# Altium PCB driver.PcbDoc (continued)
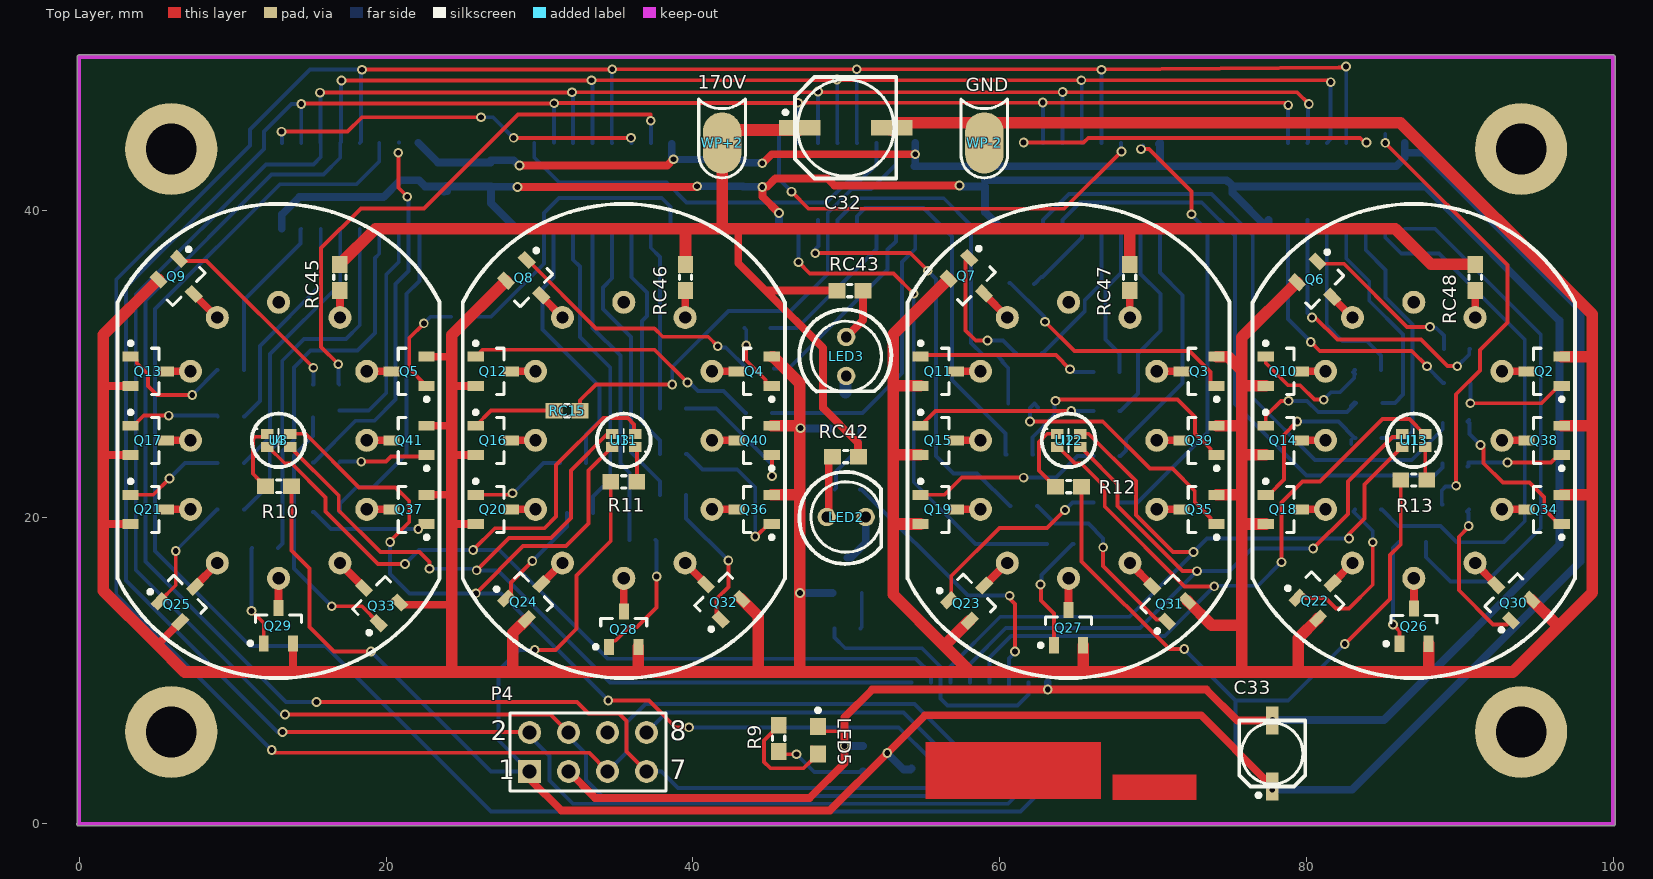
[diagram p0: Top Layer view]
## Nets (pads, with @x,y where several pads share a name; then routed paths per layer and width w, separated by ;. In a path a pad name is that pad's centre, name@x,y a point inside that pad or via, vN(x,y) a via of type N, cw(c..) or ccw(c..) an arc to the next point about the centre after c; other vN are vias at no path point) (continued)
_1_N3: RC13.1 U8.4 | length 13.9
  Bottom Layer w0.254: U8.4 82.601,36.855 84.099,35.357 84.099,34.112 86.309,31.902 86.309,27.996 85.771,27.457 RC13.1
_1_N4: RC17.1 U8.3 | length 16.7
  Bottom Layer w0.254: U8.3 83.871,37.414 85.166,36.119 85.166,34.315 86.919,32.563 86.919,25.574 86.516,25.171 RC17.1@84.899,25.171
_1_N5: RC21.1 U8.2 | length 35.1
  Bottom Layer w0.254: RC21.1 84.923,20.498 85.99,19.431 88.748,19.431 89.814,18.364 92.862,18.364 94.234,19.736 94.234,31.597 88.646,37.185 86.185,37.185 85.141,38.23 U8.2
_1_N6: RC25.1 U8.1 | length 34.9
  Bottom Layer w0.254: U8.1 88.373,38.805 95.275,31.902 95.275,19.304 91.77,15.799 89.383,15.799 87.794,17.387 RC25.1
_1_N7: RC29.1 U8.15 | length 29.7
  Top Layer w0.254: v1(85.141,44.405) 93.116,36.429 93.116,32.693 91.313,30.89 91.313,29.565 89.764,28.016 v1(89.764,22.047)
  Bottom Layer w0.254: v1(85.141,44.405) U8.15@85.141,44.98 ; RC29.1@88.876,20.828 RC29.1 88.826,21.744 89.078,21.996 89.713,21.996 v1(89.764,22.047)
_1_N8: RC33.1 U7.7 | length 42.2
  Bottom Layer w0.254: U7.7@62.997,38.964 U7.7 62.838,39.38 64.529,41.072 73.812,41.072 76.505,38.379 76.505,27.787 80.569,23.723 86.868,23.723 88.888,25.744 RC33.1
_1_N9: RC37.1 U7.6 | length 40.4
  Bottom Layer w0.254: U7.6@64.292,38.99 U7.6 64.108,39.38 65.24,40.513 73.177,40.513 75.336,38.354 75.336,27.381 80.01,22.707 88.341,22.707 88.863,23.229 RC37.1@88.863,23.52
_2_N0: RC2.1 U7.5 | length 5
  Bottom Layer w0.254: RC2.1@62.255,35.192 RC2.1 62.716,35.653 62.801,35.653 65.378,38.23 U7.5
_2_N1: RC6.1 U7.4 | length 10
  Bottom Layer w0.254: RC6.1 62.825,30.708 65.555,33.438 65.555,34.161 66.648,35.254 U7.4 U7.4@66.832,38.99
_2_N2: RC10.1 U7.3 | length 10.1
  Bottom Layer w0.254: RC10.1 67.83,30.671 66.904,31.597 66.904,34.899 67.918,35.913 U7.3
_2_N3: RC14.1 U7.2 | length 13.5
  Bottom Layer w0.254: RC14.1 67.88,26.924 69.012,28.056 69.012,30.683 70.485,32.156 70.485,34.569 69.188,35.867 U7.2
_2_N4: RC18.1 U7.1 | length 17.2
  Bottom Layer w0.254: RC18.1 67.88,23.977 68.253,24.35 68.253,25.073 71.933,28.753 71.933,34.468 70.458,35.943 U7.1
_2_N5: RC22.1 U7.15 | length 28.5
  Top Layer w0.254: v1(69.215,43.993) 69.748,43.993 72.517,41.224 v1(72.517,39.751) v1@72.517,39.7
  Bottom Layer w0.254: RC22.1 68.986,20.955 73.558,25.527 73.558,38.659 v1@72.517,39.7 ; v1(69.215,43.993) 69.215,44.063 69.19,44.088 U7.15@69.347,44.246
_2_N6: RC26.1 U6.7 | length 33.2
  Top Layer w0.254: v1(46.888,36.627) 47.625,35.89 53.086,35.89 v1(54.407,34.569)
  Bottom Layer w0.254: U6.7 46.886,38.803 46.886,36.629 v1(46.888,36.627) ; v1(54.407,34.569) 54.407,22.276 58.42,18.262 RC26.1
_2_N7: RC30.1 U6.6 | length 28.6
  Top Layer w0.254: v1(47.981,37.211) 54.178,37.211 v1(55.321,36.068)
  Bottom Layer w0.254: v1(47.981,37.211) 47.981,37.49 48.182,37.691 48.182,38.778 U6.6 U6.6@48.154,39.38 ; v1(55.321,36.068) 55.855,35.534 55.855,24.003 56.998,22.86 58.536,22.86 60.67,20.726 RC30.1
_2_N8: RC34.1 U6.5 | length 23.7
  Bottom Layer w0.254: U6.5 49.424,39.38 50.837,40.792 56.363,40.792 58.141,39.014 58.141,31.369 58.953,30.556 59.817,30.556 60.192,30.181 60.192,30.11 60.567,29.735 RC34.1
_2_N9: RC38.1 U6.4 | length 23.7
  Bottom Layer w0.254: U6.4 50.694,39.62 51.232,40.157 55.042,40.157 56.896,38.303 56.896,28.956 60.39,25.462 60.39,24.079 RC38.1
_3_N0: RC3.1 U6.3 | length 10.3
  Bottom Layer w0.254: RC3.1 46.812,32.334 51.964,37.486 U6.3
_3_N1: RC7.1 U6.2 | length 13
  Bottom Layer w0.254: RC7.1 46.253,29.692 52.705,36.144 52.705,37.439 53.234,37.969 U6.2
_3_N2: RC11.1 U6.1 | length 19.3
  Bottom Layer w0.254: RC11.1 51.054,26.797 53.645,29.388 53.645,36.627 54.504,37.486 U6.1
_3_N3: RC15.1 U6.15 | length 32
  Top Layer w0.254: RC15.1@32.639,26.937 RC15.1 32.651,27.621 33.68,28.651 v1(38.659,28.651)
  Bottom Layer w0.254: v1(38.659,28.651) 38.659,29.794 42.316,33.452 46.38,33.452 48.795,35.866 48.795,39.831 50.34,41.376 51.613,41.376 53.234,42.998 U6.15
_3_N4: RC19.1 U5.7 | length 17.5
  Bottom Layer w0.254: U5.7 30.931,35.63 30.201,34.899 30.201,32.232 33.909,28.524 33.909,26.263 33.032,25.386 RC19.1
_3_N5: RC23.1 U5.6 | length 20
  Bottom Layer w0.254: U5.6 32.201,36.785 32.639,36.347 32.639,31.75 34.62,29.769 34.62,22.479 33.501,21.359 RC23.1
_3_N6: RC27.1 U5.5 | length 21.3
  Bottom Layer w0.254: U5.5 33.471,32.34 35.281,30.531 35.281,23.495 35.878,22.897 RC27.1
_3_N7: RC31.1 U5.4 | length 19.2
  Bottom Layer w0.254: U5.4 34.741,35.579 34.138,34.976 34.138,33.579 35.966,31.75 35.966,24.234 37.86,22.341 RC31.1
_3_N8: RC35.1 U5.3 | length 15.7
  Bottom Layer w0.254: U5.3 36.011,35.642 37.008,34.645 37.008,33.121 36.678,32.791 36.678,26.187 37.86,25.005 RC35.1
_3_N9: RC39.1 U5.2 | length 12
  Bottom Layer w0.254: U5.2 37.262,38.786 37.262,37.566 37.86,36.969 RC39.1
_4_N0: RC4.1 U5.1 | length 19.4
  Bottom Layer w0.254: RC4.1 26.848,33.071 30.301,36.524 30.301,39.831 31.288,40.818 37.973,40.818 38.551,40.239 U5.1
_4_N1: RC8.1 U5.15 | length 36.3
  Top Layer w0.254: v1(16.891,29.972) 15.773,31.089 15.773,37.541 18.364,40.132 22.479,40.132 28.6,46.253 37.262,46.253 v1(37.262,45.847)
  Bottom Layer w0.254: v1(16.891,29.972) 16.891,28.714 RC8.1 ; v1(37.262,45.847) 37.272,45.837 37.272,44.415 U5.15
_4_N2: RC12.1 U4.7 | length 10.8
  Bottom Layer w0.254: RC12.1 10.731,34.149 14.427,37.846 14.427,38.754 U4.7
_4_N3: RC16.1 U4.6 | length 14.4
  Bottom Layer w0.254: RC16.1 10.781,26.56 11.786,27.565 11.786,31.166 15.748,35.128 U4.6
_4_N4: RC20.1 U4.5 | length 17.9
  Bottom Layer w0.254: RC20.1 12.446,25.244 12.446,30.632 17.018,35.204 U4.5
_4_N5: RC24.1 U4.4 | length 23.1
  Bottom Layer w0.254: RC24.1 10.781,20.498 12.421,22.138 12.421,24.308 13.233,25.12 13.233,30.2 14.656,31.623 17.399,31.623 18.288,32.512 U4.4
_4_N6: RC28.1 U4.3 | length 25.3
  Bottom Layer w0.254: RC28.1 13.259,18.276 13.259,24.308 13.995,25.044 13.995,29.769 15.088,30.861 18.136,30.861 19.279,32.004 19.279,36.895 19.558,37.175 U4.3
_4_N7: RC32.1 U4.2 | length 14.6
  Bottom Layer w0.254: RC32.1 18.872,26.949 20.015,28.092 20.015,35.814 20.828,36.627 U4.2
_4_N8: RC36.1 U4.1 | length 21.3
  Bottom Layer w0.254: RC36.1 17.004,20.345 17.004,20.879 18.096,21.971 19.177,21.971 21.336,24.13 21.336,34.569 22.174,35.407 22.174,38.729 U4.1
_4_N9: RC40.1 U4.15 | length 23.8
  Top Layer w0.254: v1(20.803,43.764) 20.803,41.478 v1(21.387,40.894)
  Bottom Layer w0.254: RC40.1 15.304,23.571 18.021,26.289 19.253,26.289 20.625,27.66 20.625,35.204 21.458,36.037 21.458,40.823 v1(21.387,40.894) ; U4.15@20.841,44.42 U4.15@20.842,44.419
CS: 
DISC: 
DOT1: RC41.1 U10.7 | length 17.4
  Bottom Layer w0.254: RC41.1 49.239,12.153 49.936,11.455 54.951,11.455 56.154,10.252 56.154,8.184 56.617,7.721 61.163,7.721 61.874,8.433 U10.7
DOT2: RC44.1 U10.6 | length 19.2
  Top Layer w0.254: v1(60.655,14.884) 60.655,14.706 61.011,14.351 v1(61.011,11.251)
  Bottom Layer w0.254: RC44.1@50.902,21.818 RC44.1 51.002,21.818 57.937,14.884 v1(60.655,14.884) ; U10.6@60.604,8.651 U10.6 60.604,10.793 61.011,11.2 v1(61.011,11.251)
DS3231_SCL: 
DS3231_SDA: 
EXT: 
FB: 
GND: C25.2 C26.2 C27.2 C28.2 C29.2 C32.2 C33.2 LED5.C P4.3 Q2.2 Q3.2 Q4.2 Q5.2 Q6.2 Q7.2 Q8.2 Q9.2 Q10.2 Q11.2 Q12.2 Q13.2 Q14.2 Q15.2 Q16.2 Q17.2 Q18.2 Q19.2 Q20.2 Q21.2 Q22.2 Q23.2 Q24.2 Q25.2 Q26.2 Q27.2 Q28.2 Q29.2 Q30.2 Q31.2 Q32.2 Q33.2 Q34.2 Q35.2 Q36.2 Q37.2 Q38.2 Q39.2 Q40.2 Q41.2 Q42.2 Q43.2 tc.2 U4.8 U5.8 U6.8 U7.8 U8.8 U10.8 WP-2.1 | length 577
  Top Layer w0.254: LED5.C 48.474,6.045 49.886,6.045
  Top Layer w0.508: 1.575,19.507 1.63,19.563 Q21.2 ; 1.575,24.054 1.584,24.063 Q17.2 ; 1.575,28.575 1.587,28.563 Q13.2 ; 5.004,11.785 5.204,11.785 Q25.2 ; Q29.2 13.929,9.921 13.945,9.906 ; Q33.2 21.007,14.297 24.177,14.297 24.282,14.402 ; Q37.2 24.257,21.463 24.282,21.437 ; Q41.2 24.236,25.963 24.282,26.009 ; Q5.2 24.214,30.463 24.282,30.531 ; 24.282,19.634 24.354,19.563 Q20.2 ; 24.282,24.206 24.426,24.063 Q16.2 ; 24.282,28.549 24.296,28.563 Q12.2 ; v1(28.575,41.529) 40.234,41.529 v1(40.284,41.58) ; P4.3 33.63,1.702 47.625,1.702 49.886,3.962 v1(49.886,5.08) 49.886,6.045 49.886,6.959 51.689,8.763 v1(63.144,8.763) 73.482,8.763 75.498,6.747 C33.2 ; v1(45.618,39.827) 44.55,40.895 44.55,41.553 44.855,41.553 45.39,42.088 48.768,42.088 49.225,41.63 v1(57.379,41.63)
  Top Layer w0.762: Q9.2 1.575,31.903 1.575,28.575 1.575,24.054 1.575,19.507 1.575,15.214 5.004,11.785 6.883,9.906 13.945,9.906 24.282,9.906 ; Q8.2 24.282,31.878 24.282,30.531 24.282,28.549 24.282,26.009 24.282,24.206 24.282,21.437 24.282,19.634 24.282,14.402 24.282,9.906 ; Q24.2 28.27,12.448 28.27,9.982 28.194,9.906 ; Q28.2 36.45,9.981 36.525,9.906 ; Q32.2 44.272,13.561 44.272,10.058 ; Q36.2 46.863,21.463 46.965,21.361 ; Q40.2 45.154,25.959 46.965,25.959 46.965,28.736 45.238,30.463 Q4.2 ; v1@46.965,25.806 46.965,21.361 ; C32.2@52.948,45.237 53.431,45.72 59.055,45.72 86.131,45.72 98.628,33.223 98.628,30.429 ; Q19.2 53.192,19.563 53.061,19.431 ; Q15.2 53.153,24.063 53.061,24.155 ; Q11.2 53.073,28.563 53.061,28.575 ; Q7.2 53.061,31.928 53.061,28.575 ; Q23.2 58.027,13.247 56.401,11.62 ; Q27.2 65.45,9.925 65.43,9.906 ; Q31.2 73.835,12.954 75.743,12.954 ; Q35.2 75.667,21.463 75.794,21.336 ; Q39.2 75.772,25.963 75.794,25.984 ; Q3.2 74.896,30.463 75.794,29.565 ; 75.794,10.109 75.794,19.507 ; Q18.2 75.849,19.563 75.794,19.507 ; Q14.2 75.861,24.063 75.794,24.13 ; Q10.2 75.831,28.563 75.794,28.6 ; Q6.2 75.794,31.725 75.794,29.565 ; 79.477,9.982 79.477,12.118 Q22.2 ; Q26.2 87.97,9.946 88.011,9.906 ; Q30.2 96.342,12.951 96.342,12.801 ; Q34.2 98.578,21.463 98.628,21.412 ; Q38.2 98.599,25.963 98.628,25.933 ; Q2.2 98.595,30.463 98.628,30.429 ; 24.282,9.906 28.194,9.906 ; 28.194,9.906 36.525,9.906 ; 36.525,9.906 46.965,9.906 ; 46.965,9.906 46.965,21.361 ; 46.965,9.906 58.115,9.906 ; 53.061,19.431 53.061,14.96 56.401,11.62 ; 53.061,19.431 53.061,24.155 ; 53.061,24.155 53.061,28.575 ; 56.401,11.62 58.115,9.906 ; 58.115,9.906 65.43,9.906 ; 65.43,9.906 79.477,9.906 88.011,9.906 ; 75.794,19.507 75.794,21.336 ; 75.794,21.336 75.794,24.13 ; 75.794,24.13 75.794,25.984 ; 75.794,25.984 75.794,28.6 ; 75.794,28.6 75.794,29.565 ; 88.011,9.906 93.447,9.906 96.342,12.801 ; 96.342,12.801 98.628,15.087 98.628,21.412 ; 98.628,21.412 98.628,25.933 ; 98.628,25.933 98.628,30.429
  Bottom Layer w0.508: U4.8 13.208,39.725 14.351,40.868 19.837,40.868 20.93,41.961 22.149,41.961 22.542,41.568 C25.2@23.877,41.568 ; C25.2@23.774,41.212 23.673,41.314 23.673,41.364 C25.2@23.877,41.568 ; C25.2@23.825,41.441 C25.2@23.991,41.275 ; C25.2@23.919,41.61 C25.2@23.877,41.568 ; v1(28.575,41.529) 28.556,41.548 26.867,41.548 C27.2 ; U5.8 28.505,38.805 26.848,40.462 C27.2 ; v1(40.284,41.58) 40.29,41.574 43.276,41.574 C28.2 43.301,41.548 44.507,41.548 v1(44.526,41.529) ; U6.8@45.614,39.38 U6.8 45.616,38.807 45.616,39.825 v1(45.618,39.827) ; v1(46.99,15.062) 46.994,15.058 49.11,15.058 Q42.2 ; v1(47.015,25.806) 47.032,25.79 48.945,25.79 Q43.2 ; v1(49.886,5.08) 49.891,5.086 51.099,5.086 C26.2 ; v1(57.379,41.63) 57.413,41.63 57.476,41.568 C29.2 59.055,39.878 60.128,38.805 U7.8 ; C29.2@59.055,41.961 74.791,41.961 74.888,41.864 74.938,41.864 75.184,41.618 tc.2 ; v1(63.144,8.763) U10.8 ; U8.8@77.521,39.38 U8.8 75.184,41.142 tc.2 ; v1(77.8,6.782) 85.065,6.782 96.495,18.212 96.495,32.817 87.743,41.568 tc.2 ; C25.2@23.877,41.568 C27.2
I\N\T\: 
NetC13_1: 
NetD1_K: 
NetD2_A: 
NetI1_1: I1.1 RC48.2 | length 1.8
  Top Layer w0.508: I1.1 91.004,33.017 91.004,34.782 RC48.2
NetI2_1: I2.1 RC47.1 | length 1.8
  Top Layer w0.508: RC47.1 68.489,34.775 68.489,33.023 I2.1
NetI3_1: I3.1 RC46.1 | length 1.8
  Top Layer w0.508: I3.1 39.511,33.024 39.511,34.775 RC46.1
NetI4_1: I4.1 RC45.1 | length 1.8
  Top Layer w0.508: RC45.1 16.996,34.782 16.996,33.016 I4.1
NetLED1_A: 
NetLED2_1: LED2.1 RC42.1 | length 4.1
  Top Layer w0.508: LED2.1 48.862,20.145 48.862,23.706 49.108,23.952 RC42.1
NetLED2_2: LED2.2 Q42.3 | length 3.3
  Bottom Layer w0.508: Q42.3 50.299,17.355 51.27,18.326 LED2.2
NetLED3_1: LED3.1 RC43.1 | length 3.5
  Top Layer w0.508: LED3.1 51.091,32.841 RC43.1
NetLED3_2: LED3.2 Q43.3 | length 1.7
  Bottom Layer w0.254: LED3.2@49.73,29.492 LED3.2@49.911,29.311 ; Q43.3@49.911,28.274 Q43.3 Q43.3@49.956,28.118 ; LED3.2@49.956,29.165 LED3.2
  Bottom Layer w0.508: LED3.2@49.829,29.23 LED3.2@49.911,29.311
  Bottom Layer w0.762: Q43.3@49.956,28.118 LED3.2@49.956,29.165
NetLED4_C: 
NetLED5_A: LED5.A R9.1 | length 7.4
  Top Layer w0.254: R9.1 45.593,6.388 44.653,5.448 44.653,4.038 45.06,3.632 47.23,3.632 47.735,4.138 47.76,4.138 48.158,4.536 LED5.A 48.158,4.586 LED5.A@47.76,4.984
NetQ2_1: Q2.1 RC1.2 | length 7.8
  Top Layer w0.254: v1@90.653,27.432 95.319,27.432 96.45,28.563 Q2.1
  Bottom Layer w0.254: RC1.2 90.69,28.727 v1(90.69,27.432)
NetQ3_1: Q3.1 RC2.2 | length 16.9
  Top Layer w0.254: v1(62.967,32.74) 64.872,30.835 72.39,30.835 73.752,29.473 73.752,28.761 73.95,28.563 Q3.1
  Bottom Layer w0.254: RC2.2 60.693,35.28 62.894,33.08 62.894,32.813 v1(62.967,32.74)
NetQ4_1: Q4.1 RC3.2 | length 4.6
  Top Layer w0.254: v1(43.485,31.191) 43.485,30.228 44.752,28.961 44.752,28.761 44.95,28.563 Q4.1
  Bottom Layer w0.254: RC3.2 43.485,32.221 v1(43.485,31.191)
NetQ5_1: Q5.1 RC4.2 | length 6.9
  Top Layer w0.254: v1(22.468,32.639) 21.514,31.685 21.514,29.699 Q5.1
  Bottom Layer w0.254: v1(22.468,32.639) 22.9,33.071 RC4.2
NetQ6_1: Q6.1 RC5.2 | length 11.1
  Top Layer w0.254: Q6.1 80.874,36.522 82.451,36.522 86.563,32.41 v1(88.062,32.41)
  Bottom Layer w0.254: v1(88.062,32.41) 88.135,32.337 88.465,32.337 88.964,31.838 RC5.2
NetQ7_1: Q7.1 RC6.2 | length 9.1
  Top Layer w0.254: Q7.1 58.166,36.751 57.785,36.751 57.785,32.182 58.445,31.521 v1(59.207,31.521)
  Bottom Layer w0.254: v1(59.207,31.521) 60.212,31.521 61.025,30.708 RC6.2
NetQ8_1: Q8.1 RC7.2 | length 17.3
  Top Layer w0.254: Q8.1 29.239,36.765 33.696,32.309 37.49,32.309 38.038,31.761 41.01,31.761 v1(41.631,31.14)
  Bottom Layer w0.254: v1(41.631,31.14) 41.703,31.067 42.15,31.067 43.525,29.692 RC7.2
NetQ9_1: Q9.1 RC8.2 | length 13
  Top Layer w0.254: Q9.1@6.718,36.842 Q9.1 6.655,36.7 8.308,36.7 v1(15.265,29.743)
  Bottom Layer w0.254: RC8.2 15.265,28.663 v1(15.265,29.743)
NetQ10_1: Q10.1 RC9.2 | length 9
  Top Layer w0.254: Q10.1 77.55,30.463 77.35,30.263 77.35,30.041 78.791,28.6 79.578,28.6 80.518,27.66 v1(81.128,27.66)
  Bottom Layer w0.254: v1(81.128,27.66) 81.61,28.143 82.194,28.143 83.123,29.072 RC9.2@83.123,29.36 ; RC9.2@83.16,29.323 RC9.2@83.123,29.36 ; RC9.2@83.123,29.36 RC9.2@83.123,29.541 ; RC9.2@83.123,29.36 83.033,29.45 RC9.2@83.123,29.541 ; RC9.2@83.123,29.541 RC9.2 83.123,29.591 RC9.2@83.123,29.541
NetQ11_1: Q11.1 RC10.2 | length 11.8
  Top Layer w0.254: Q11.1 54.955,30.567 63.666,30.567 v1(64.592,29.642)
  Bottom Layer w0.254: v1(64.592,29.642) 64.695,29.642 64.873,29.464 RC10.2
NetQ12_1: Q12.1 RC11.2 | length 19.5
  Top Layer w0.254: Q12.1 26.302,30.915 37.513,30.915 v1(39.649,28.778)
  Bottom Layer w0.254: v1(39.649,28.778) 39.776,28.778 40.335,28.219 42.001,28.219 43.423,26.797 RC11.2
NetQ13_1: Q13.1 RC12.2 | length 8
  Top Layer w0.254: Q13.1 3.55,30.463 3.748,30.265 3.748,30.065 4.496,29.317 4.496,28.549 5.08,27.965 v1(7.366,27.965)
  Bottom Layer w0.254: v1(7.366,27.965) 7.366,27.976 8.981,29.591 RC12.2
NetQ14_1: Q14.1 RC13.2 | length 7.8
  Top Layer w0.254: Q14.1 77.35,26.601 78.334,27.584 v1(78.842,27.584)
  Bottom Layer w0.254: v1(78.842,27.584) 80.035,27.584 80.772,26.848 82.64,26.848 RC13.2 ; RC13.2@82.896,27.254 RC13.2@83.124,27.483
NetQ15_1: Q15.1 RC14.2 | length 11.7
  Top Layer w0.254: Q15.1 55.811,26.924 v1(64.67,26.924)
  Bottom Layer w0.254: v1(64.67,26.924) RC14.2
NetQ16_1: Q16.1 RC15.2 | length 5.5
  Top Layer w0.254: Q16.1 26.837,26.949 RC15.2
NetQ17_1: Q17.1 RC16.2 | length 6
  Top Layer w0.254: Q17.1 3.55,25.963 4.206,26.619 v1(5.842,26.619)
  Bottom Layer w0.254: v1(5.842,26.619) 8.971,26.619 RC16.2
NetQ18_1: Q18.1 RC17.2 | length 10.3
  Top Layer w0.254: Q18.1 77.55,21.463 78.537,22.449 78.537,25.374 v1(79.4,26.238)
  Bottom Layer w0.254: v1(79.4,26.238) 82.082,26.238 83.149,25.171 RC17.2@83.199,25.171 ; RC17.2@82.923,24.769 RC17.2@82.923,25.044
NetQ19_1: Q19.1 RC18.2 | length 12.3
  Top Layer w0.254: Q19.1 56.413,21.463 57.531,22.58 v1(61.57,22.58)
  Bottom Layer w0.254: v1(61.57,22.58) 63.678,22.58 65.075,23.977 RC18.2
NetQ20_1: Q20.1 RC19.2 | length 6.3
  Top Layer w0.254: Q20.1 28.146,21.463 v1(28.248,21.564)
  Bottom Layer w0.254: v1(28.248,21.564) 28.296,21.564 30.277,23.546 RC19.2
NetQ21_1: Q21.1 RC20.2 | length 6.5
  Top Layer w0.254: Q21.1 4.826,21.463 v1(5.893,22.53)
  Bottom Layer w0.254: v1(5.893,22.53) 6.892,23.529 RC20.2
NetQ22_1: Q22.1 RC21.2 | length 11.4
  Top Layer w0.254: Q22.1 79.555,14.884 79.836,14.884 79.977,14.743 81.244,14.743 81.94,14.046 82.779,14.046 84.328,15.595 v1(84.328,18.364)
  Bottom Layer w0.254: RC21.2 83.058,20.382 84.328,19.112 v1(84.328,18.364)
NetQ23_1: Q23.1 RC22.2 | length 12.9
  Top Layer w0.254: Q23.1 56.848,14.732 56.848,16.157 59.995,19.304 63.094,19.304 v1(64.262,20.472)
  Bottom Layer w0.254: v1(64.262,20.472) 64.745,20.955 RC22.2
NetQ24_1: Q24.1 RC23.2 | length 7.2
  Top Layer w0.254: Q24.1 28.143,15.009 28.143,15.748 v1(29.54,17.145)
  Bottom Layer w0.254: v1(29.54,17.145) 31.801,19.405 RC23.2
NetQ25_1: Q25.1 RC24.2 | length 7.6
  Top Layer w0.254: Q25.1 6.296,15.564 v1(6.296,17.804)
  Bottom Layer w0.254: v1(6.296,17.804) 6.296,17.813 8.981,20.498 RC24.2
NetQ26_1: Q26.1 RC25.2 | length 7
  Top Layer w0.254: v1(85.649,13.005) 86.07,12.583 Q26.1
  Bottom Layer w0.254: v1(85.649,13.005) 85.649,17.994 86.044,18.389 RC25.2
NetQ27_1: Q27.1 RC26.2 | length 7.9
  Top Layer w0.254: v1(62.662,15.621) 62.687,15.595 62.687,14.579 63.55,13.717 Q27.1
  Bottom Layer w0.254: v1(62.662,15.621) 62.735,15.694 62.735,16.24 64.757,18.262 RC26.2
NetQ28_1: Q28.1 RC27.2 | length 8.7
  Top Layer w0.254: Q28.1 34.55,11.75 34.748,11.948 34.948,11.948 35.852,12.852 36.373,12.852 37.643,14.122 v1(37.643,16.129)
  Bottom Layer w0.254: RC27.2 37.643,18.452 v1(37.643,16.129)
NetQ29_1: Q29.1 RC28.2 | length 6.6
  Top Layer w0.254: v1(11.227,13.894) 12.029,13.091 Q29.1
  Bottom Layer w0.254: v1(11.227,13.894) 11.227,17.944 RC28.2
NetQ30_1: Q30.1 RC29.2 | length 10
  Top Layer w0.254: v1(90.576,19.431) 90.576,19.355 89.945,18.723 89.945,15.236 92.177,13.005 93.066,13.005 Q30.1
  Bottom Layer w0.254: v1(90.576,19.431) 90.576,20.269 90.475,20.371 RC29.2@90.602,20.498
NetQ31_1: Q31.1 RC30.2 | length 12.7
  Top Layer w0.254: v1(66.751,18.034) 66.751,16.815 70.228,13.337 70.764,13.337 Q31.1
  Bottom Layer w0.254: RC30.2 62.47,20.726 63.613,19.583 65.786,19.583 66.751,18.618 v1(66.751,18.034)
NetQ32_1: Q32.1 RC31.2 | length 9.7
  Top Layer w0.254: Q32.1 41.554,13.591 41.554,14.681 42.316,15.443 v1(42.316,17.17)
  Bottom Layer w0.254: RC31.2 39.56,19.927 v1(42.316,17.17)
NetQ33_1: Q33.1 RC32.2 | length 17.4
  Top Layer w0.254: v1(16.459,14.198) 18.418,14.198 Q33.1
  Bottom Layer w0.254: RC32.2@15.254,26.517 15.254,25.286 13.995,24.028 13.995,16.662 v1(16.459,14.198)
NetQ34_1: Q34.1 RC33.2 | length 10.4
  Top Layer w0.254: v1(91.351,24.701) 91.542,24.511 91.542,23.52 92.812,22.25 94.539,22.25 95.51,21.279 95.51,20.503 96.45,19.563 Q34.1
  Bottom Layer w0.254: RC33.2@90.487,26.238 RC33.2@90.588,26.34 ; RC33.2 90.638,26.136 90.638,25.414 v1(91.351,24.701)
NetQ35_1: Q35.1 RC34.2 | length 17.1
  Top Layer w0.254: v1(61.976,26.238) 66.726,26.238 69.799,23.165 71.272,23.165 72.72,21.717 72.72,20.992 73.752,19.961 73.752,19.761 73.95,19.563 Q35.1
  Bottom Layer w0.254: v1(61.976,26.238) 61.976,27.115 RC34.2 RC34.2@62.509,27.164
NetQ36_1: Q36.1 RC35.2 | length 10
  Top Layer w0.254: v1(44.069,18.745) 44.132,18.745 44.95,19.563 Q36.1
  Bottom Layer w0.254: RC35.2 39.61,24.13 40.626,23.114 42.901,23.114 44.069,21.945 v1(44.069,18.745)
NetQ37_1: Q37.1 RC36.2 | length 8
  Top Layer w0.254: v1(22.098,19.228) 22.098,19.211 22.45,19.563 Q37.1
  Bottom Layer w0.254: RC36.2 15.304,20.345 16.421,19.228 v1(22.098,19.228)
NetQ38_1: Q38.1 RC37.2 | length 6.6
  Top Layer w0.254: v1(93.116,23.571) 95.958,23.571 96.45,24.063 Q38.1
  Bottom Layer w0.254: RC37.2@90.512,23.3 90.563,23.351 RC37.2@90.563,23.52 ; RC37.2 90.588,23.546 90.614,23.571 v1(93.116,23.571)
NetQ39_1: Q39.1 RC38.2 | length 17
  Top Layer w0.254: v1(63.652,27.584) 63.754,27.686 71.603,27.686 72.746,26.543 72.746,25.467 73.752,24.461 73.752,24.261 73.95,24.063 Q39.1
  Bottom Layer w0.254: RC38.2@62.19,24.079 RC38.2 62.14,25.21 63.589,26.659 63.589,27.521 v1(63.652,27.584)
NetQ40_1: Q40.1 RC39.2 | length 9.3
  Top Layer w0.254: Q40.1 45.161,24.051 v1(45.161,22.682)
  Bottom Layer w0.254: RC39.2 41.529,27.076 45.161,23.444 v1(45.161,22.682)
NetQ41_1: Q41.1 RC40.2 | length 5.9
  Top Layer w0.254: v1(18.39,23.622) 19.99,23.622 20.326,23.958 22.545,23.958 Q41.1
  Bottom Layer w0.254: RC40.2 17.004,23.622 v1(18.39,23.622)
NetQ42_1: Q42.1 RC41.2 | length 2.3
  Bottom Layer w0.254: RC41.2 51.013,12.825 Q42.1
NetQ43_1: Q43.1 RC44.2 | length 4.6
  Bottom Layer w0.254: RC44.2 49.327,21.893 49.327,22.987 50.861,24.521 Q43.1
NetR4_2: 
NetR10_1: R10.1 U3.1 | length 4.7
  Top Layer w0.254: R10.1 12.1,22.013 11.727,22.386 11.727,22.436 11.328,22.834 11.328,25.099 11.477,25.247 12.06,25.247 U3.1 U3.1@12.15,25.538
NetR11_1: R11.1 U11.1 | length 3.2
  Top Layer w0.254: U11.1@36.448,24.786 U11.1 36.35,24.488 R11.1 36.4,22.301 R11.1@36.773,21.928
NetR12_1: R12.1 U12.1 | length 4.9
  Top Layer w0.254: R12.1@63.75,21.896 R12.1 63.6,21.996 62.56,23.036 62.56,24.892 63.106,25.438 U12.1
NetR13_1: R13.1 U13.1 | length 2.2
  Top Layer w0.254: U13.1 87.75,22.528 R13.1
NRST: 
O\E\: P4.5 U4.13 U5.13 U6.13 U7.13 U8.13 U10.13 | length 197.3
  Top Layer w0.254: v1(12.548,4.826) 12.725,4.648 33.223,4.648 P4.5 ; v1(18.44,49.174) 18.453,49.187 34.734,49.187 v1(34.747,49.2) v1(50.685,49.2) 66.622,49.2 v1(66.648,49.174) 82.118,49.327 82.525,49.327 v1(82.575,49.377)
  Bottom Layer w0.254: v1(12.548,4.826) 2.413,14.96 2.413,35.509 11.125,44.221 11.125,45.263 15.037,49.174 v1(18.44,49.174) 18.368,49.101 18.368,44.485 U4.13 ; P4.5 35.687,4.673 35.687,6.604 36.906,7.823 54.442,7.823 58.064,4.201 U10.13 U10.13@58.064,3.051 ; U5.13 34.719,44.427 34.719,49.171 v1(34.747,49.2) ; v1(50.685,49.2) 50.69,49.195 50.69,44.41 U6.13 ; U7.13 v1(66.648,49.174) ; v1(82.575,49.377) 82.601,49.352 U8.13
OSC32_IN: 
OSC32_OUT: 
OSC_IN: 
OSC_OUT: 
PWRC: 
R\S\T\: 
RCLK: P4.7 U4.12 U5.12 U6.12 U7.12 U8.12 U10.12 | length 183
  Top Layer w0.254: v1(15.469,7.95) 32.461,7.95 33.198,7.213 35.179,7.213 35.687,6.705 35.687,4.724 P4.7 ; v1(17.094,48.463) 17.107,48.476 33.388,48.476 v1(33.401,48.488) v1(65.329,48.488) 81.458,48.488 v1(81.585,48.361)
  Bottom Layer w0.254: v1(15.469,7.95) 13.487,7.95 4.318,17.119 4.318,34.112 12.548,42.342 15.926,42.342 17.018,43.434 U4.12 17.056,44.443 17.056,48.425 v1(17.094,48.463) ; v1(33.401,48.488) 33.474,48.415 33.474,44.408 U5.12 ; P4.7 37.948,3.429 39.04,2.337 58.953,2.337 59.334,2.718 U10.12 ; v1(49.403,48.539) 49.414,48.529 49.414,44.416 U6.12 ; v1(65.329,48.488) 65.353,48.464 65.353,44.429 U7.12 ; U8.12 81.585,44.659 v1(81.585,48.361)
REF: 
RGB1_B: U3.3 U10.2 U11.3 | length 68.7
  Top Layer w0.254: U3.3@12.052,24.786 U3.3 12.325,24.588 13.398,23.514 13.829,23.514 16.053,21.291 16.053,20.371 19.482,16.942 v1(21.234,16.942) ; v1(25.679,17.856) 27.102,19.278 30.328,19.278 31.09,20.04 31.09,23.393 34.163,26.467 35.763,26.467 36.175,26.055 36.175,25.438 U11.3 U11.3@36.448,25.24
  Bottom Layer w0.254: v1(21.234,16.942) 22.149,17.856 v1(25.679,17.856) 27.381,17.856 34.468,10.769 54.556,10.769 55.524,9.801 U10.2
RGB1_G: U3.4 U10.1 U11.4 | length 62.1
  Top Layer w0.254: U3.4@13.675,24.588 U3.4 16.916,21.421 16.916,20.447 19.634,17.729 22.174,17.729 22.835,17.069 v1(22.835,16.637) ; v1(25.908,16.535) 28.016,18.643 30.759,18.643 32.055,19.939 32.055,23.048 34.444,25.438 U11.4
  Bottom Layer w0.254: v1(22.835,16.637) 25.806,16.637 v1(25.908,16.535) 27.305,16.535 34.614,9.226 U10.1
RGB1_R: U3.2 U10.15 U11.2 | length 71.1
  Top Layer w0.254: U3.2 14.745,25.438 18.237,21.945 20.625,21.945 21.514,21.056 21.514,19.676 20.269,18.431 v1(20.269,18.389) ; v1(25.857,15.037) 28.931,18.11 31.725,18.11 33.198,19.583 33.198,23.035 U11.2 ; v1(34.493,8.052) 37.135,8.052 38.887,6.299 v1(39.751,6.299)
  Bottom Layer w0.254: v1(20.269,18.389) 20.269,16.307 21.539,15.037 v1(25.857,15.037) 27.508,15.037 v1(34.493,8.052) ; v1(39.751,6.299) 53.426,6.299 55.524,4.201 U10.15 U10.15@55.524,3.051
RGB2_B: U10.5 U12.3 U13.3 | length 53.9
  Top Layer w0.254: U12.3 63.825,24.588 64.907,23.506 65.321,23.506 66.319,22.508 66.319,22.504 66.853,21.971 66.853,20.701 72.06,15.494 v1(73.99,15.494) ; v1(78.384,17.069) 78.384,20.955 79.756,22.326 80.899,22.326 84.963,26.39 86.722,26.39 87.675,25.438 U13.3
  Bottom Layer w0.254: U10.5 59.334,10.846 60.757,12.268 70.764,12.268 v1(73.99,15.494) 74.028,15.532 76.848,15.532 v1(78.384,17.069)
RGB2_G: U10.4 U12.4 U13.4 | length 48.7
  Top Layer w0.254: U12.4 65.325,24.588 65.523,24.39 65.523,24.315 67.691,22.147 67.691,20.726 71.933,16.484 v1(72.873,16.484) ; v1(80.442,17.958) 82.702,20.218 82.702,22.326 85.616,25.24 86.052,25.24 U13.4
  Bottom Layer w0.254: U10.4 58.064,10.439 60.401,12.776 69.164,12.776 v1(72.873,16.484) 74.981,16.484 76.454,17.958 v1(80.442,17.958)
RGB2_R: U10.3 U12.2 U13.2 | length 49.8
  Top Layer w0.254: U12.2 65.799,25.438 68.885,22.352 68.885,20.143 71.299,17.729 v1(72.644,17.729) ; v1(82.779,18.618) 82.779,18.897 83.795,19.913 83.795,22.132 85.977,24.315 85.977,24.39 86.175,24.588 U13.2
  Bottom Layer w0.254: U10.3 56.794,10.261 60.046,13.513 68.478,13.513 72.644,17.678 v1(72.644,17.729) 73.533,18.618 v1(82.779,18.618)
RXD: 
S\R\C\L\R\: P4.2 U4.10 U5.10 U6.10 U7.10 U8.10 U10.10 | length 180.9
  Top Layer w0.254: v1(13.259,5.994) 29.337,5.994 P4.2 ; v1(14.478,46.939) 14.503,46.964 30.937,46.964 v1(30.963,46.99) 46.838,46.99 v1(46.863,47.015) 78.664,47.015 v1(78.816,46.863)
  Bottom Layer w0.254: v1(13.259,5.994) 12.929,5.994 3.048,15.875 3.048,35.001 12.04,43.993 12.04,45.136 13.843,46.939 v1(14.478,46.939) U4.10 ; P4.2 29.362,5.74 30.658,4.445 30.658,2.845 32.182,1.321 60.554,1.321 61.874,2.641 U10.10 ; U5.10@30.945,44.419 30.963,44.436 v1(30.963,46.99) ; v1(46.863,47.015) 46.874,47.005 46.874,44.416 U6.10 ; v1(62.814,47.041) 62.826,47.029 62.826,44.417 U7.10 ; U8.10 78.803,44.418 78.803,46.85 v1(78.816,46.863)
SER: P4.8 U10.14 | length 22.8
  Bottom Layer w0.254: P4.8 38.278,7.264 53.731,7.264 56.794,4.201 U10.14 U10.14@56.794,3.051
SER0: U4.14 U10.9 | length 102.7
  Bottom Layer w0.254: U4.14 19.558,43.18 18.085,41.707 13.081,41.707 4.953,33.579 4.953,17.805 11.151,11.608 16.053,11.608 26.848,0.813 61.366,0.813 63.239,2.685 63.239,3.531 U10.9
SER1: U4.9 U5.14 | length 24.8
  Top Layer w0.254: v1(13.183,45.136) 17.501,45.136 18.44,46.075 v1(26.187,46.075) ; v1(28.321,44.729) v1(35.966,44.729)
  Bottom Layer w0.254: v1(13.183,45.136) 13.208,45.11 U4.9 ; v1(26.187,46.075) 26.975,46.075 v1(28.321,44.729) ; v1(35.966,44.729) 36.011,44.684 U5.14
SER2: U5.9 U6.14 | length 26.9
  Bottom Layer w0.254: U5.9 29.661,43.44 31.293,41.808 38.303,41.808 39.599,40.513 48.717,40.513 50.14,41.935 50.902,41.935 51.964,42.998 U6.14
SER3: U6.9 U7.14 | length 28.2
  Top Layer w0.254: v1(46.431,41.224) 47.549,40.106 64.211,40.106 v1(67.945,43.84)
  Bottom Layer w0.254: U6.9@45.614,44.98 U6.9 45.614,42.041 v1(46.431,41.224) ; U7.14 67.918,43.868 v1(67.945,43.84)
SER4: U7.9 U8.14 | length 22.6
  Top Layer w0.254: v1(61.57,44.424) 65.477,44.424 65.782,44.729 83.514,44.729 83.819,44.424 v1(83.922,44.424)
  Bottom Layer w0.254: U7.9 61.568,44.422 v1(61.57,44.424)
SHDN: 
SPI1_SCK: P4.4 U4.11 U5.11 U6.11 U7.11 U8.11 U10.11 | length 180.8
  Top Layer w0.254: v1(13.411,7.137) 30.734,7.137 P4.4 ; v1(15.697,47.676) 15.71,47.688 32.118,47.688 v1(32.131,47.701) 79.4,47.701 v1(80.162,46.939)
  Bottom Layer w0.254: v1(13.411,7.137) 13.106,7.137 3.683,16.561 3.683,34.518 12.167,43.002 15.265,43.002 15.748,43.485 U4.11 15.723,44.43 15.723,47.65 v1(15.697,47.676) ; P4.4 31.902,5.715 33.045,4.572 33.045,2.87 34.087,1.829 59.715,1.829 60.604,2.718 U10.11 ; v1(32.131,47.701) 32.201,47.631 U5.11 ; U6.11 48.156,44.407 48.156,47.75 v1(48.158,47.752) ; U7.11 64.109,44.406 v1(64.11,47.726) v1(64.11,47.726) ; U8.11 80.112,44.456 80.112,46.888 v1(80.162,46.939)
STAT: 
SWCLK: 
SWDIO: 
TXD: 
USART2_RX: 
USART2_TX: 
pads on no net: I1.12 I2.12 I3.12 I4.12 P4.6 U8.9

## Keep-outs
Keep-Out Layer:
  lines w0.254: -0.025,0 99.975,0 ; 0,0 0,50 ; 0,50.013 100,50.013 100,0

## Other copper
Top Layer:
  rectangle: 67.361,1.549 72.847,3.226
  rectangle: 55.169,1.625 66.624,5.334

## Silkscreen, mask and mechanical layers (free items; w line width, h text height)
Top Solder:
  text "竹蜻蜓" at 55.347,1.829 h3.81
  text "4号-B" at 67.64,1.676 h2.03

## Text inside footprints (layer, text, board x,y; h text height)
P4: Top Overlay "8" at 38.506,5.461 h1.27; Top Overlay "7" at 38.506,2.921 h1.27; Top Overlay "1" at 27.33,2.921 h1.27; Top Overlay "2" at 26.822,5.461 h1.27